# Altium PCB 控制板.PcbDoc (part 12 of 12)
Units mil, origin at the board's own origin, x right, y up, seen from the top; angles counter-clockwise.
Board outline 8150.4 x 2246.9 mil, 6 copper layers (TopLayer, MidLayer1, MidLayer2, MidLayer3, MidLayer4, BottomLayer); 1570 components, 853 nets, 4888 pads, 1859 vias.
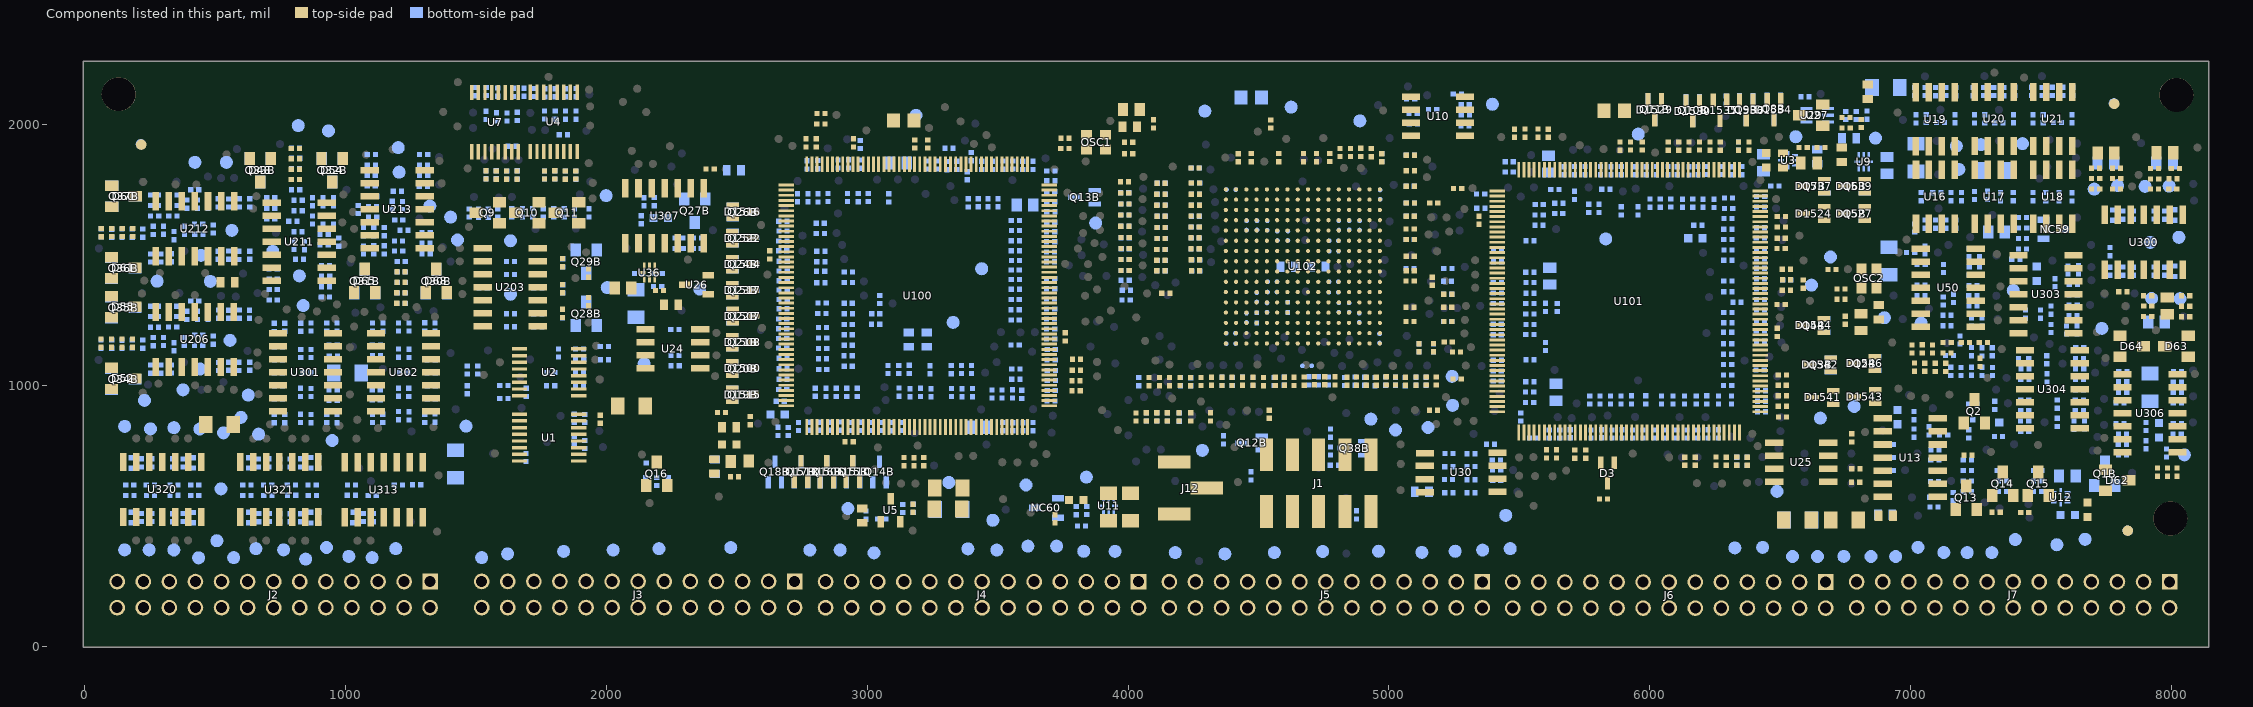
[diagram p16: the components of this part, seen from the top]

## Keep-outs
KeepOutLayer:
  lines w6: -3.3,127.19 ccw(c123.89,127.19) 123.89,0 8023.52,0 ccw(c8023.52,117.58) 8141.1,117.58 8141.1,2115.46 ccw(c8015.66,2115.46) 8015.66,2240.9 119.18,2240.9 ccw(c119.18,2118.42) -3.3,2118.42 -3.3,127.19

## Other copper
TopLayer:
  rectangle net GND: 2122.4,886.3 2210.7,964.6
  rectangle net GND: 4019,1873.8 4059.4,1891.7
  rectangle net GND: 4092.8,1938 4107.4,1989.2
  rectangle net VDD: 4092.1,2009.4 4111.7,2055.7
  rectangle net VDD: 2475.3,622.3 2485.9,682.1
  rectangle net VREF+: 3706.9,495 3725.3,545.7
  rectangle net NetLB6_2: 6741.1,1325.9 6786.1,1350.9

## Silkscreen, mask and mechanical layers (free items; w line width, h text height)
TopOverlay:
  circle w8: c2625.49,403.8 r3.91
  circle w6: c2629.4,1767.1 r16.2
  text "T" at 5035.3,1743.4 h25 r90
  text "K" at 5033.2,1513.4 h25 r90
  text "E" at 5040.7,1313.8 h25 r90
  text "A" at 5043.6,1153.4 h25 r90
  text "5" at 4820.3,1093.4 h25 r90
  text "1" at 4982.8,1091.3 h25 r90
  text "16" at 4388.2,1082.5 h25 r90
  text "10" at 4621.1,1077.5 h25 r90
  text "L" at 1996.1,408.8 h100
  text "V" at 2291.9,407.1 h100
  text "A" at 2686.1,406.3 h100
  text "T" at 1887.8,404.6 h100
  text "R" at 2494.4,404.6 h100
  text "E" at 1391.5,403.8 h100
  text "N" at 1488.6,403.8 h100
  text "5" at 1700.3,403 h100
  text "C" at 1790.3,403 h100
  text "E" at 1598.6,402.5 h100
  text "A" at 2087.8,401.3 h100
  text "E" at 2399.4,400.5 h100
BottomOverlay:
  drawing of 227 lines, arcs and shapes, not listed
  text "A" at 3645.3,2141.7 h35
  text "7" at 3686.5,2140.3 h35
  text "8" at 3725.5,2139.8 h35
  text "0" at 3766.7,2140.3 h35
  text "0" at 3805.9,2139.6 h35
  text "1" at 3839.2,2139.4 h35
  text "1" at 3879.9,2139.2 h35
  text "A" at 2194.4,2082.1 h30
  text "1" at 3630.7,1944 h35
  text "4" at 3557.8,1943.2 h35
  text "-" at 3599.9,1943.2 h35
  text "MW1920A0592GNV" at 5765.3,1062.1 h26 r270
  text "CODE" at 5887.4,480 h26
  text "BAR" at 5987.8,479.2 h26
  text "6mm" at 5876.1,410.5 h26
  text "X" at 5924,408 h26
  text "10" at 5995.3,407.5 h26
  text "A" at 1259,360 h30
BottomSolder:
  rectangle: 5680.3,305 6127.8,588.8

## Text inside footprints (layer, text, board x,y; h text height)
D66: TopOverlay "+" at 3034,1994.4 h50
D67: TopOverlay "+" at 5758.6,2031.9 h50
D69: BottomOverlay "+" at 4366.9,2125.7 h50 r180
J1: TopOverlay "2" at 4929.8,398 h26 r90; TopOverlay "10" at 4519,430.1 h26 r180; TopOverlay "9" at 4504.4,814.7 h26 r90; TopOverlay "1" at 4998.6,825.9 h26 r90
J2: TopOverlay "25" at 45.3,255.9 h26; TopOverlay "26" at 41.9,160.1 h26; TopOverlay "1" at 1316.1,287.1 h26; TopOverlay "2" at 1369.6,146.7 h26
J3: TopOverlay "25" at 1499.4,297.2 h26; TopOverlay "26" at 1456.9,190.5 h26; TopOverlay "1" at 2719,291.7 h26; TopOverlay "2" at 2767.1,147.1 h26
J4: TopOverlay "25" at 2827,294.7 h26; TopOverlay "26" at 2788.6,186.4 h26; TopOverlay "1" at 4044.4,298.8 h26; TopOverlay "2" at 4085.5,146.3 h26
J5: TopOverlay "2" at 5403.8,145.8 h26; TopOverlay "1" at 5403,258.8 h26; TopOverlay "26" at 4106.9,181.7 h26; TopOverlay "25" at 4141.9,296.7 h26
J6: TopOverlay "25" at 5458.3,440.8 h26; TopOverlay "26" at 5426.6,181.7 h26; TopOverlay "1" at 6719.3,258 h26; TopOverlay "2" at 6720.1,145 h26
J7: TopOverlay "25" at 6822.6,277.1 h26; TopOverlay "26" at 6804.3,185.8 h26; TopOverlay "1" at 8038,258.8 h26; TopOverlay "2" at 8038.8,145.8 h26
J12: TopOverlay "1" at 4134.4,554.2 h26 r270; TopOverlay "2" at 4306.9,664.2 h26 r270; TopOverlay "3" at 4135.3,664.7 h26 r270